# Altium PCB PCB.PcbDoc (part 1 of 4) (continued)
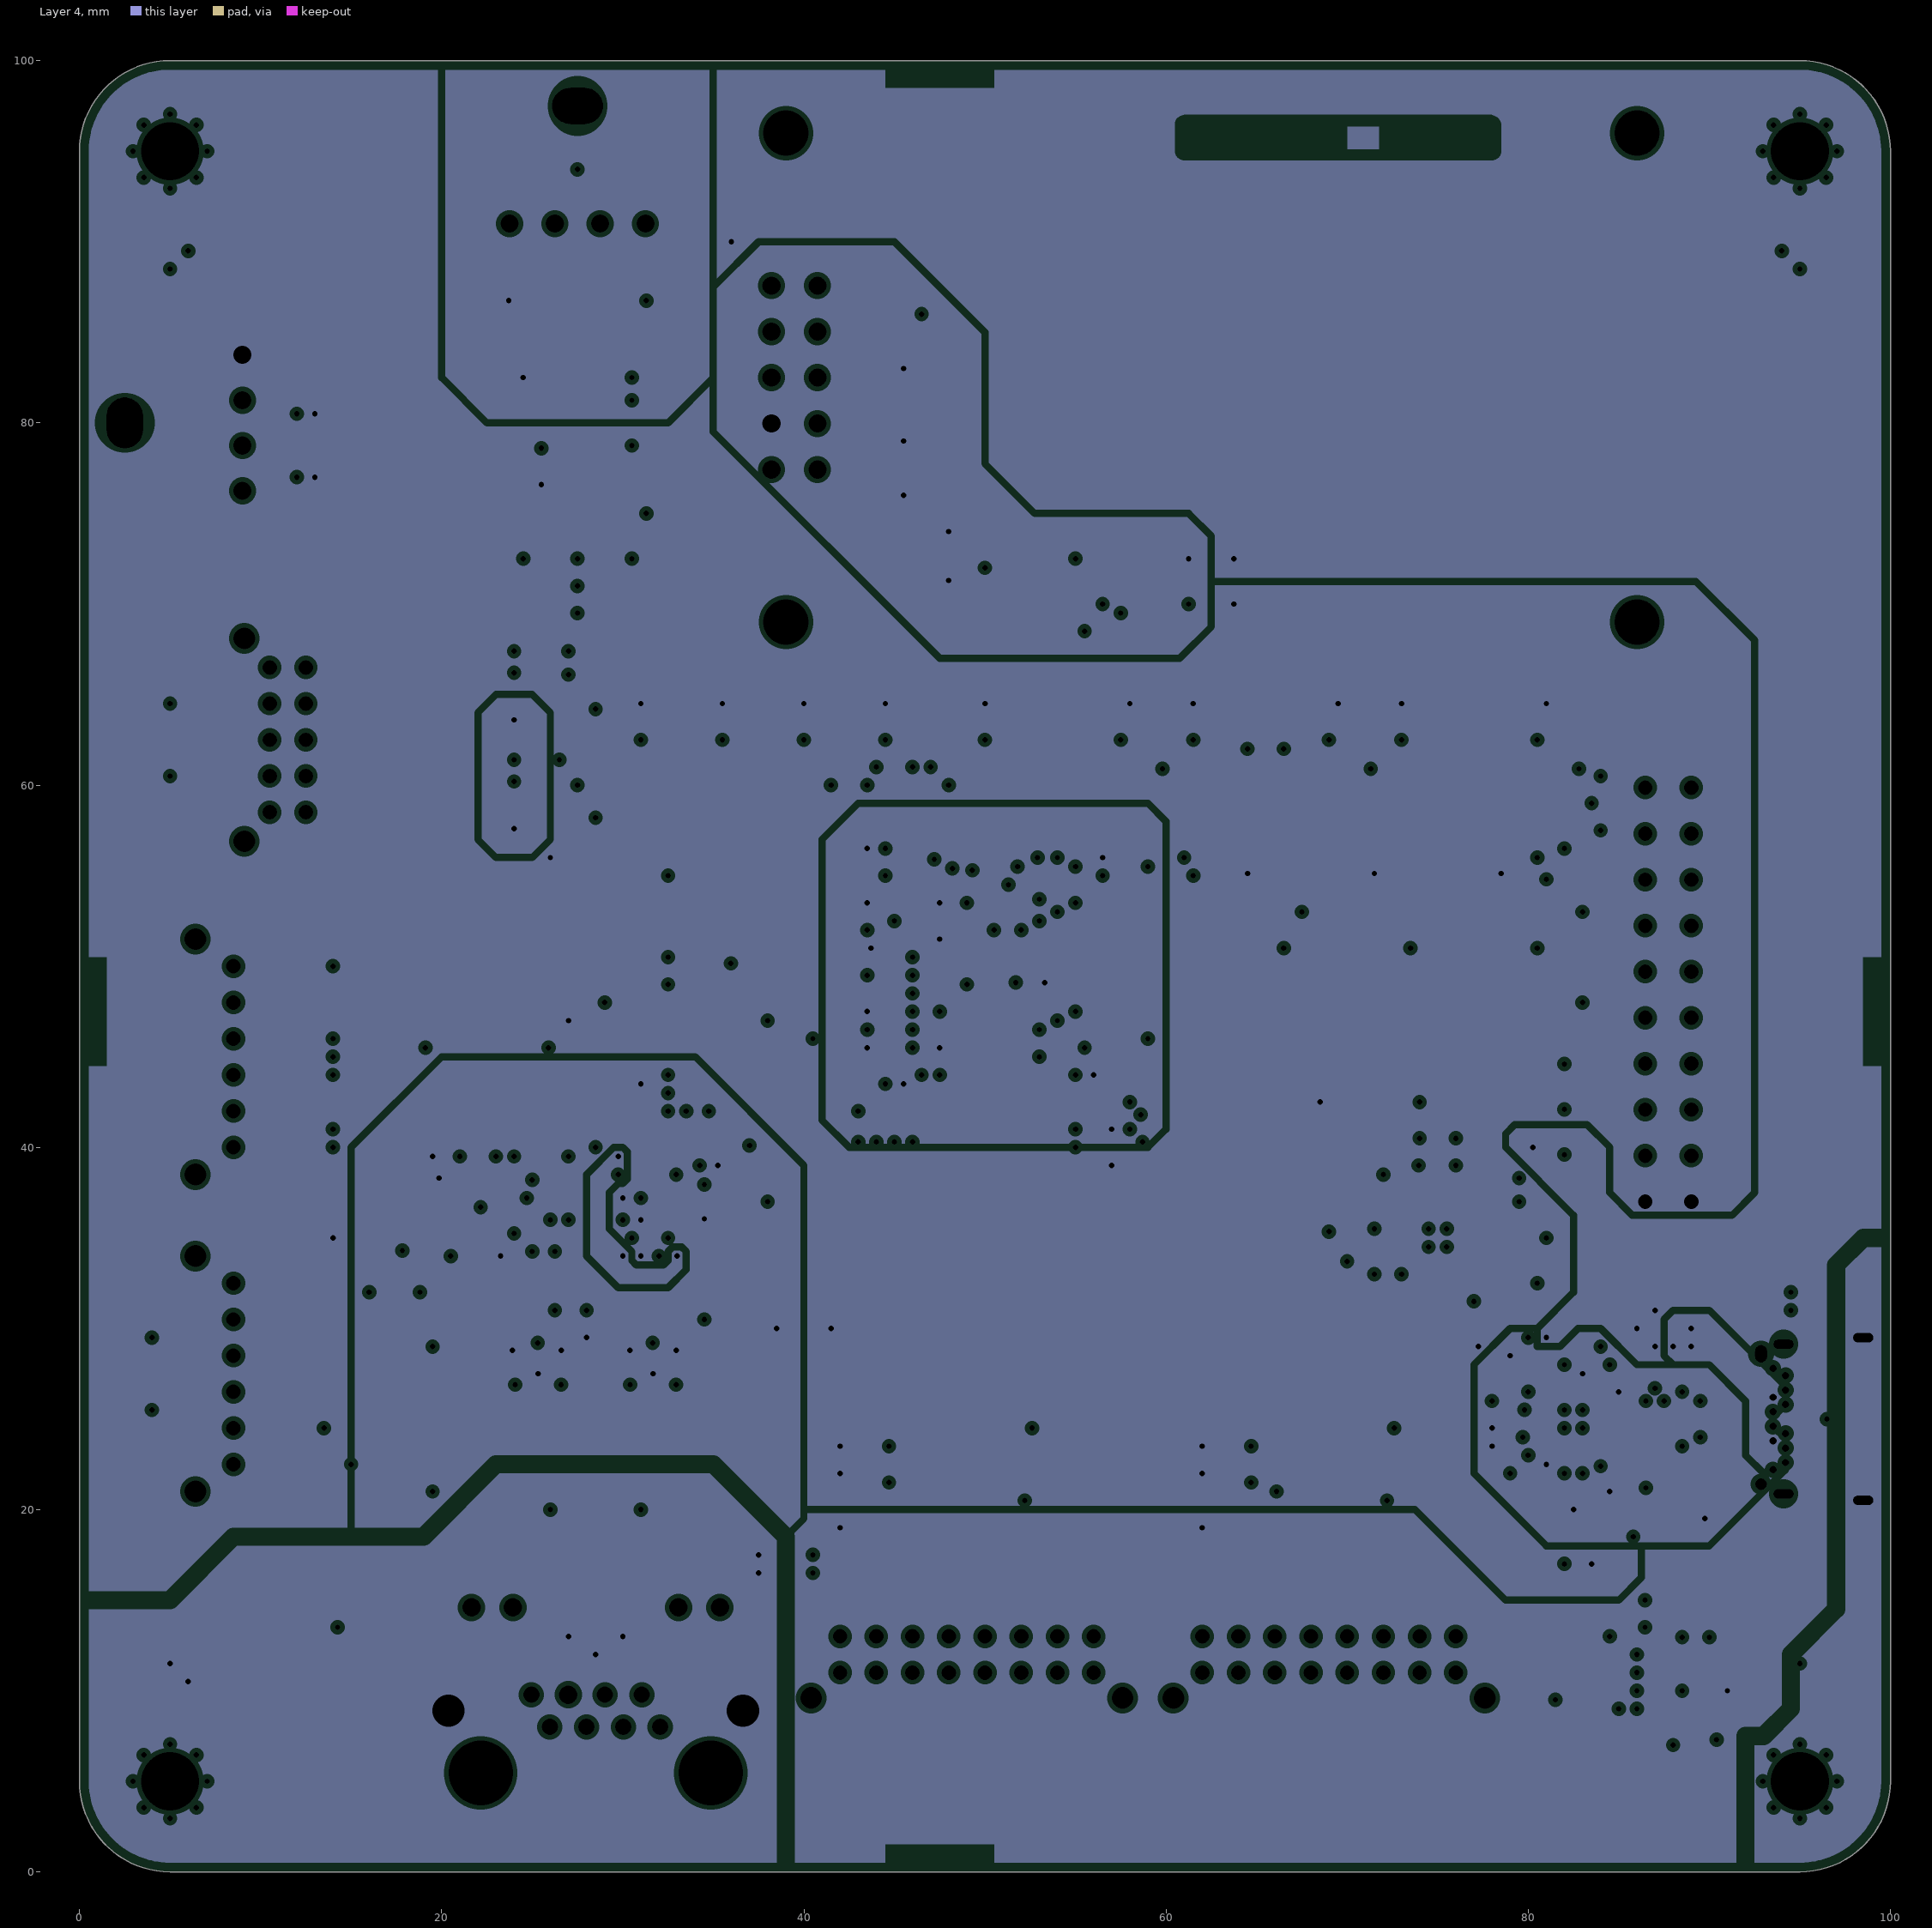
[diagram p4: Layer 4, clearances drawn from the general rule]
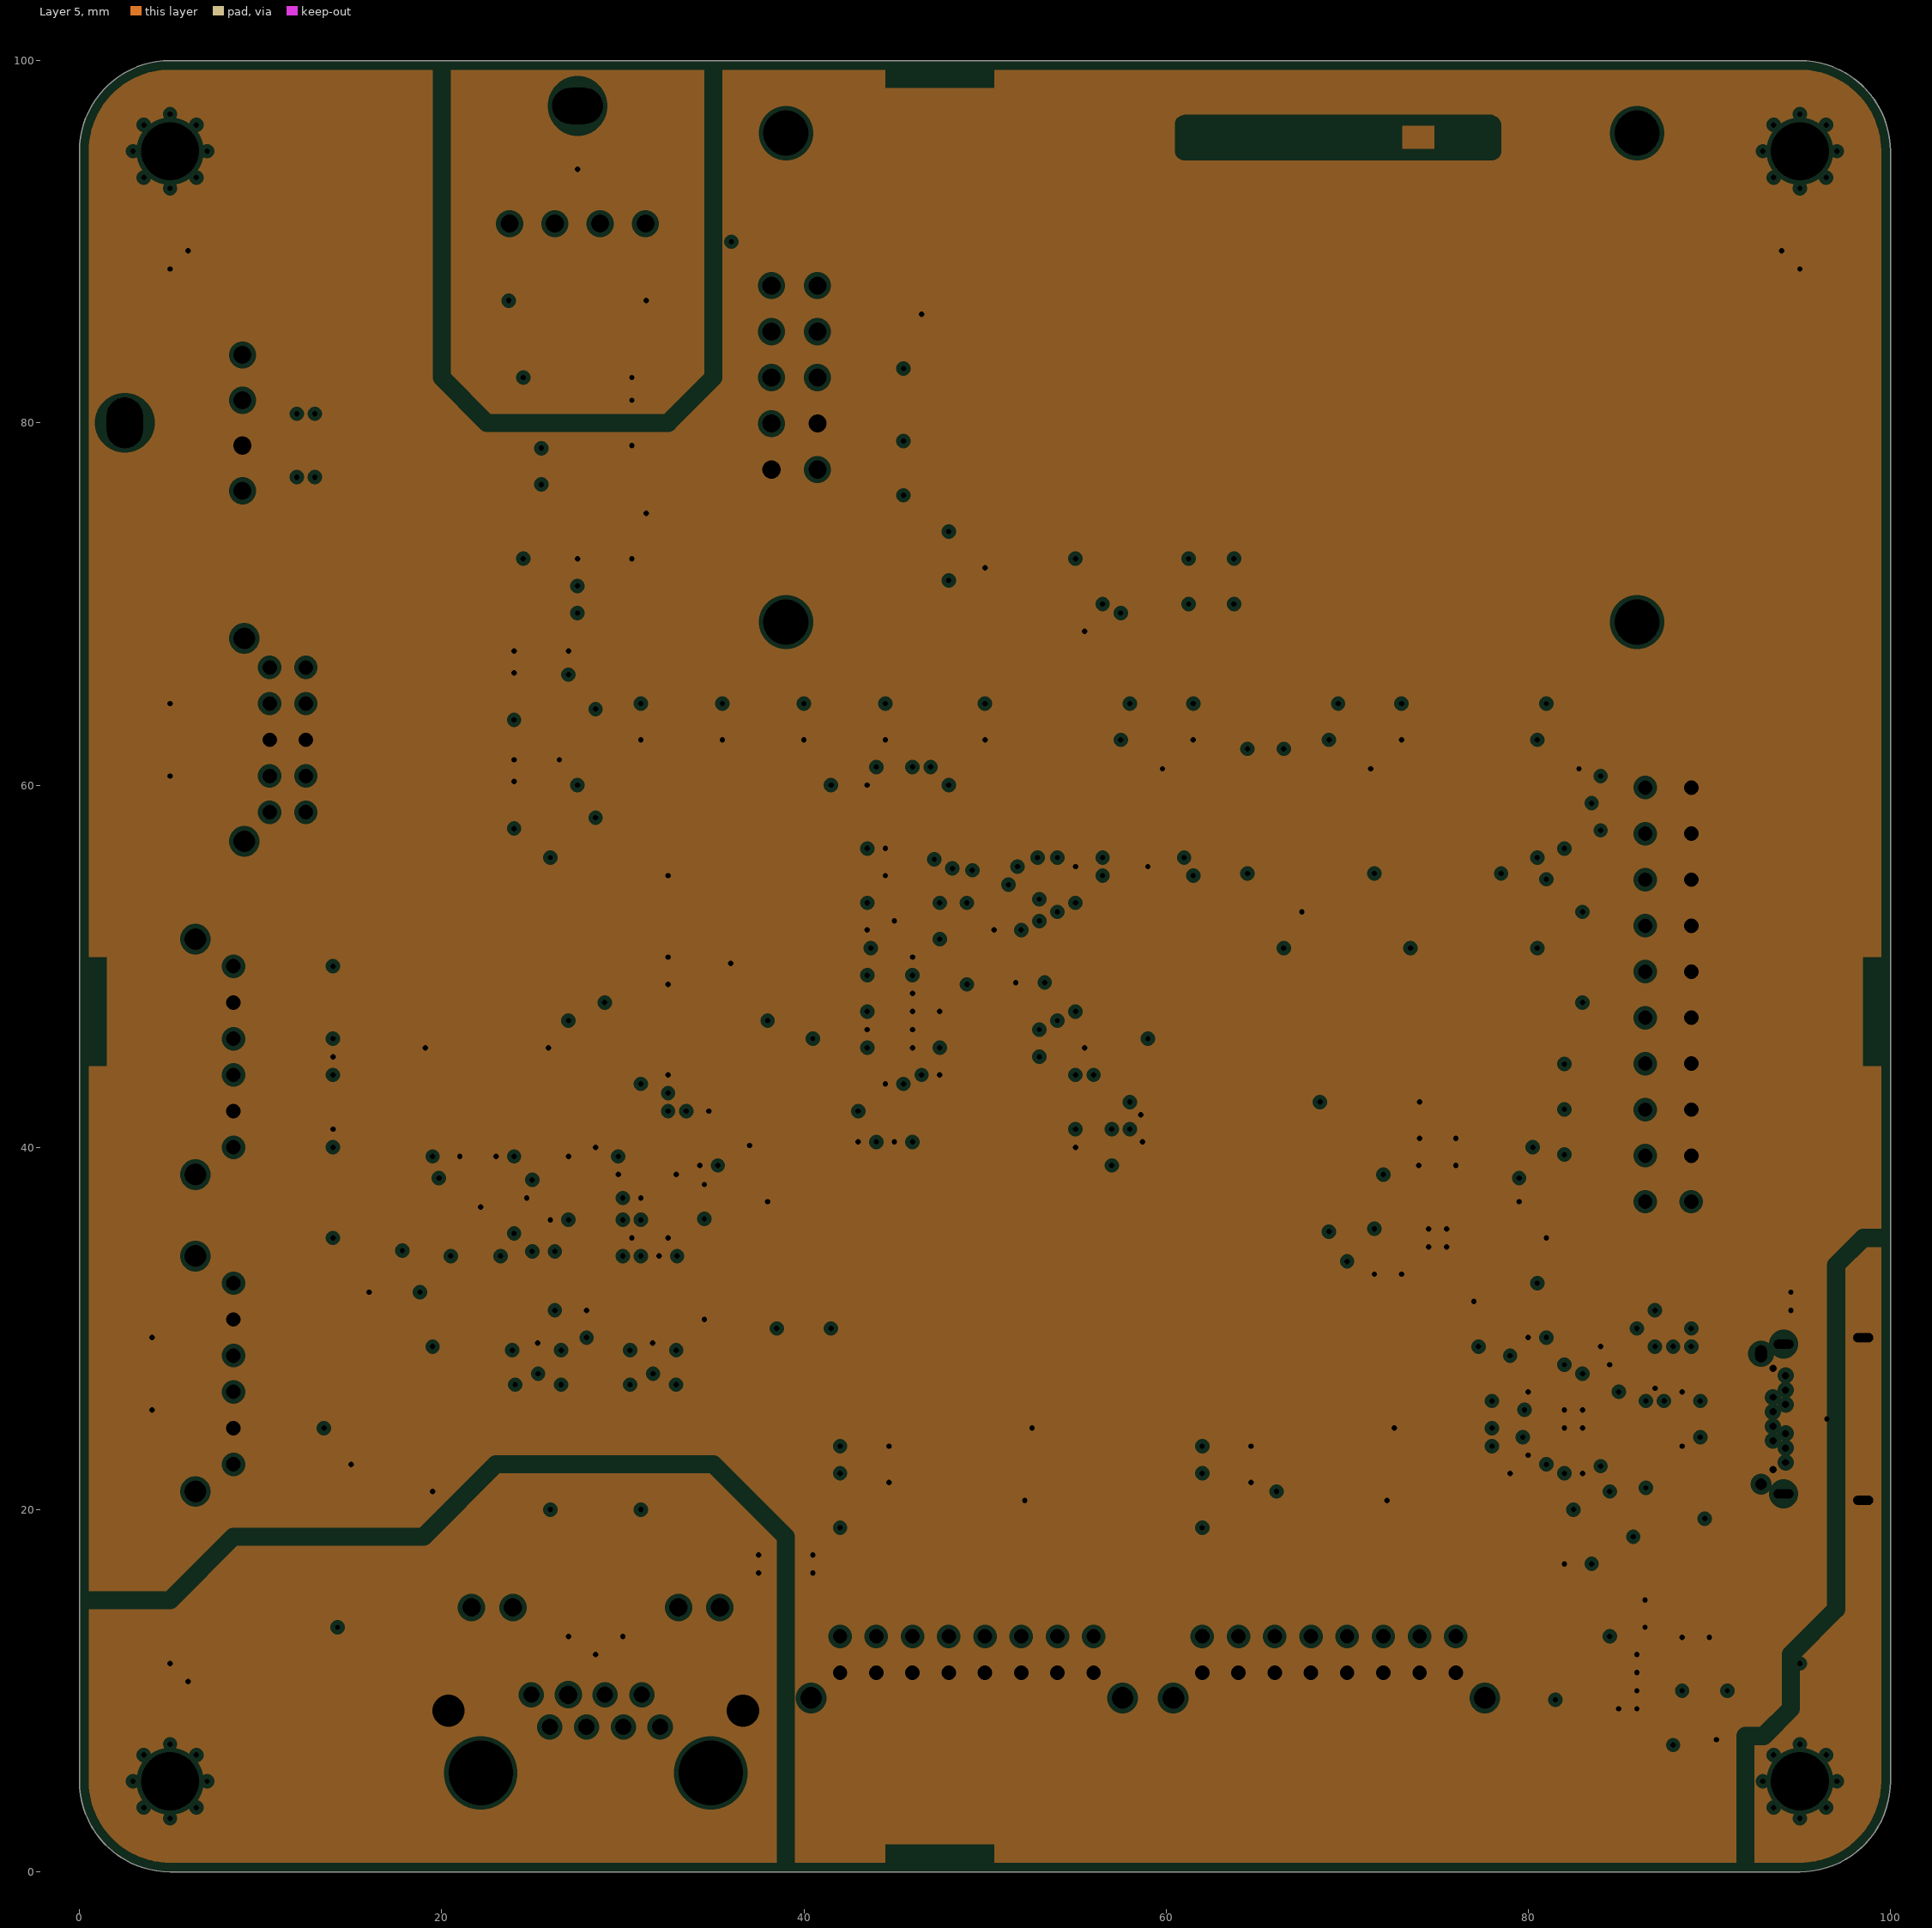
[diagram p5: Layer 5, clearances drawn from the general rule]

## Layer stack, top to bottom
Top Solder: solder mask 0.01, Solder Resist, Dk 3.5
Top Layer: signal copper 0.035
Dielectric 2: prepreg 0.0994, 3313*1, Dk 4.1
Layer 2: plane copper 0.0152, net Gnd
Dielectric 4: core 0.55, Core, Dk 4.1
Layer 3: signal copper 0.0152
Dielectric 1: prepreg 0.1088, 2116*1, Dk 4.8
Layer 4: plane copper 0.0152, net 3.3V
Dielectric 5: core 0.55, Core, Dk 4.1
Layer 5: plane copper 0.0152, net Gnd
Dielectric 3: prepreg 0.0994, 3313*1, Dk 4.1
Bottom Layer: signal copper 0.035
Bottom Solder: solder mask 0.01, Solder Resist, Dk 3.5

## Board outline
0,5 0,95 cw(c5,95) 5,100 95,100 cw(c95,95) 100,95 100,5 cw(c95,5) 95,0 5,0 cw(c5,5)

## Design rules (kind name [scope] priority, off if disabled: settings)
BoardOutlineClearance [Not OnLayer('Top Overlay')] p1: gap=0.3 ignorepadtopadclearanceinfootprint=FALSE
Clearance Polygons [InNet('Gnd') vs (InNet('Gcan') Or InNet('Chassis'))] p1: gap=0.2 ignorepadtopadclearanceinfootprint=FALSE except(0.127: SMDPad-SMDPad; 1: Poly-Poly)
Clearance [All] p2: gap=0.2 ignorepadtopadclearanceinfootprint=FALSE except(0.127: SMDPad-SMDPad)
DiffPairsRouting "Usb 90 Ohm" [InDifferentialPairClass('Usb_90')] p1: maxlimit=0.203 minlimit=0.203 mostfreqgap=0.203 toplayer_minwidth=0.158 toplayer_maxwidth=0.158 toplayer_prefwidth=0.158 midlayer1_minwidth=0.321 midlayer1_maxwidth=0.321 midlayer1_prefwidth=0.321 bottomlayer_minwidth=0.158 bottomlayer_maxwidth=0.158 bottomlayer_prefwidth=0.158 maxuncoupledlength=12.7
DiffPairsRouting "Rs422-Can 120 Ohm" [InDifferentialPairClass('Rs422_120') Or InDifferentialPairClass('Can_120')] p2: maxlimit=0.508 minlimit=0.508 mostfreqgap=0.508 toplayer_minwidth=0.096 toplayer_maxwidth=0.098 toplayer_prefwidth=0.097 midlayer1_minwidth=0.261 midlayer1_maxwidth=0.261 midlayer1_prefwidth=0.261 bottomlayer_minwidth=0.096 bottomlayer_maxwidth=0.098 bottomlayer_prefwidth=0.097 maxuncoupledlength=12.7
DiffPairsRouting "Eth 100 Ohm" [InDifferentialPairClass('Eth_100')] p3: maxlimit=0.203 minlimit=0.203 mostfreqgap=0.203 toplayer_minwidth=0.124 toplayer_maxwidth=0.124 toplayer_prefwidth=0.124 midlayer1_minwidth=0.232 midlayer1_maxwidth=0.232 midlayer1_prefwidth=0.232 bottomlayer_minwidth=0.124 bottomlayer_maxwidth=0.124 bottomlayer_prefwidth=0.124 maxuncoupledlength=12.7
HoleSize "Mounting Hole" [HasFootprint('Mounting Hole - Hole-3.2mm, Pad-5mm')] p1: absolutevalues=TRUE maxlimit=5 minlimit=0.29 maxpercent=80.000 minpercent=20.000
HoleSize "USB Conn" [HasFootprint('GCT, USB4056')] p2: absolutevalues=TRUE maxlimit=5 minlimit=0.29 maxpercent=80.000 minpercent=20.000
HoleSize NonViaHoleSize [Not IsVia] p3: absolutevalues=TRUE maxlimit=5 minlimit=0.5 maxpercent=80.000 minpercent=20.000
HoleSize ViaHoleSize [IsVia] p4: absolutevalues=TRUE maxlimit=5 minlimit=0.3 maxpercent=80.000 minpercent=20.000
HoleToHoleClearance "Mounting Hole (Clearance)" [HasFootprint('Mounting Hole - Hole-3.2mm, Pad-5mm') vs HasFootprint('Mounting Hole - Hole-3.2mm, Pad-5mm')] p1: gap=0.29 allowstackedmicrovias=TRUE
HoleToHoleClearance "USB Conn (Clearance)" [HasFootprint('GCT, USB4056') vs HasFootprint('GCT, USB4056')] p2: gap=0.39 allowstackedmicrovias=TRUE
HoleToHoleClearance [All] p3: gap=0.5 allowstackedmicrovias=TRUE
MatchedLengths LM-EthP [InNetClass('EthP')] p1: tolerance=1 checknetsindiffpair=FALSE checkdiffpairvsdiffpair=TRUE checkxsignals=TRUE checkothers=TRUE
MatchedLengths LM-EthC [InNetClass('EthC')] p2: tolerance=1 checknetsindiffpair=FALSE checkdiffpairvsdiffpair=TRUE checkxsignals=TRUE checkothers=TRUE
MatchedLengths LM-EthP_Dp [InNetClass('EthP')] p3: tolerance=1 checknetsindiffpair=TRUE checkdiffpairvsdiffpair=FALSE checkxsignals=FALSE checkothers=FALSE
MatchedLengths LM-EthC_Dp [InNetClass('EthC')] p4: tolerance=1 checknetsindiffpair=TRUE checkdiffpairvsdiffpair=FALSE checkxsignals=FALSE checkothers=FALSE
MatchedLengths SPI-LM [InxSignalClass('xSPI')] p5: tolerance=1 checknetsindiffpair=FALSE checkdiffpairvsdiffpair=TRUE checkxsignals=TRUE checkothers=TRUE
MatchedLengths LM-I2C [InNetClass('I2C_LM')] p6: tolerance=1 checknetsindiffpair=FALSE checkdiffpairvsdiffpair=TRUE checkxsignals=TRUE checkothers=TRUE
MinimumAnnularRing [All] p1: minimumring=0.05
MinimumSolderMaskSliver [All] p1: minsoldermaskwidth=0.1
PlaneClearance [All] p1: clearance=0.25
PlaneConnect [All] p1: planeconnectstyle=Direct reliefexpansion=0.508 reliefentries=4 reliefconductorwidth=0.254 reliefairgap=0.254
PolygonConnect [All] p1: thpad.connectstyle=Relief thpad.reliefconductorwidth=0.254 thpad.reliefentries=4 thpad.polygonreliefangle="90 Angle" thpad.airgapwidth=0.25 smdpad.connectstyle=Relief smdpad.reliefconductorwidth=0.254 smdpad.reliefentries=4 smdpad.polygonreliefangle="90 Angle" smdpad.airgapwidth=0.25 via.connectstyle=Direct via.reliefconductorwidth=0.254 via.reliefentries=4 via.polygonreliefangle="90 Angle" via.airgapwidth=0.25
RoomDefinition Bt3 [InComponentClass('Bt3')] p1: confinementstyle=ConfineIn formatcopy=TRUE lockcomponents=FALSE outline 71.5,59 83,59 83,66.5 71.5,66.5
RoomDefinition Sw2 [InComponentClass('Sw2')] p2: confinementstyle=ConfineIn formatcopy=TRUE lockcomponents=FALSE outline 68.5,45.5 75,45.5 75,56.5 68.5,56.5
RoomDefinition Bt2 [InComponentClass('Bt2')] p3: confinementstyle=ConfineIn formatcopy=TRUE lockcomponents=FALSE outline 60,59 71.5,59 71.5,66.5 60,66.5
RoomDefinition Sw3 [InComponentClass('Sw3')] p4: confinementstyle=ConfineIn formatcopy=TRUE lockcomponents=FALSE outline 75.5,45.5 82,45.5 82,56.5 75.5,56.5
RoomDefinition Sw1 [InComponentClass('Sw1')] p5: confinementstyle=ConfineIn formatcopy=TRUE lockcomponents=FALSE outline 61.5,45.5 68,45.5 68,56.5 61.5,56.5
RoomDefinition LdY [InComponentClass('LdY')] p6: confinementstyle=ConfineIn formatcopy=TRUE lockcomponents=FALSE outline 34.5,62 37.5,62 37.5,65 34.5,65
RoomDefinition LdR [InComponentClass('LdR')] p7: confinementstyle=ConfineIn formatcopy=TRUE lockcomponents=FALSE outline 43.5,62 46.5,62 46.5,65 43.5,65
RoomDefinition LdO [InComponentClass('LdO')] p8: confinementstyle=ConfineIn formatcopy=TRUE lockcomponents=FALSE outline 39,62 42,62 42,65 39,65
RoomDefinition LdG [InComponentClass('LdG')] p9: confinementstyle=ConfineIn formatcopy=TRUE lockcomponents=FALSE outline 30,62 33,62 33,65 30,65
RoomDefinition Bt1 [InComponentClass('Bt1')] p10: confinementstyle=ConfineIn formatcopy=TRUE lockcomponents=FALSE outline 48.5,59 60,59 60,66.5 48.5,66.5
RoutingVias [All] p1: holewidth=0.711 width=1.27 viastyle="Through Hole" minholewidth=0.711 minwidth=1.27 maxholewidth=0.711 maxwidth=1.27
SilkToSilkClearance [Not HasFootprint('Logo 1') vs Not HasFootprint('Logo 1')] p1: silktosilkclearance=0.05
SilkToSolderMaskClearance [IsPad And (Not HasFootprint('Resistor_Smd_M1005_I0402'))] p1: minsilkscreentomaskgap=0.15 clearancetoexposedcopper=TRUE
SolderMaskExpansion [All] p1: expansion=0.05 istentingtop=FALSE
SupplyNets "Schematic Supply Nets_17" [InNet('3.3V_LCD')] p1: voltage=0.000
SupplyNets "Schematic Supply Nets_16" [InNet('3.3V')] p2: voltage=0.000
SupplyNets "Schematic Supply Nets_15" [InNet('ChassisU')] p3: voltage=0.000
SupplyNets "Schematic Supply Nets_14" [InNet('Vdd')] p4: voltage=0.000
SupplyNets "Schematic Supply Nets_13" [InNet('3.3V_RT')] p5: voltage=0.000
SupplyNets "Schematic Supply Nets_12" [InNet('3.3V_AP')] p6: voltage=0.000
SupplyNets "Schematic Supply Nets_11" [InNet('VCC_422')] p7: voltage=0.000
SupplyNets "Schematic Supply Nets_10" [InNet('5V_AP')] p8: voltage=0.000
SupplyNets "Schematic Supply Nets_9" [InNet('Gcan')] p9: voltage=0.000
SupplyNets "Schematic Supply Nets_8" [InNet('3.3V_FT')] p10: voltage=0.000
SupplyNets "Schematic Supply Nets_7" [InNet('5V_RT')] p11: voltage=0.000
SupplyNets "Schematic Supply Nets_6" [InNet('Gnd')] p12: voltage=0.000
SupplyNets "Schematic Supply Nets_5" [InNet('Vcan')] p13: voltage=0.000
SupplyNets "Schematic Supply Nets_4" [InNet('ChassisE')] p14: voltage=0.000
SupplyNets "Schematic Supply Nets_3" [InNet('5V_LCD')] p15: voltage=0.000
SupplyNets "Schematic Supply Nets_2" [InNet('3.3V_ETH')] p16: voltage=0.000
SupplyNets "Schematic Supply Nets_1" [InNet('VBus')] p17: voltage=0.000
SupplyNets "Schematic Supply Nets" [InNet('5V')] p18: voltage=0.000
Width [All] p1: maxlimit=10 minlimit=0.089 preferedwidth=0.2 minimp=50.000000 maximp=50.000000 favimp=50.000000
22 further rules are at their usual default settings.

## Classes and differential pairs
net class EthP: RXP_N RXP_P TXP_N TXP_P
net class EthC: RXC_N RXC_P TXC_N TXC_P
net class I2C_LM: PB6 PB7
differential pair class Usb_90: U Usb
differential pair class Rs422_120: AB CTS RTS YZ
differential pair class Eth_100: RXC RXP TXC TXP
differential pair class Can_120: CAN
channel class Switch: Sw1 Sw2 Sw3
channel class "Led Driver": LdG LdO LdR LdY
channel class Button: Bt1 Bt2 Bt3
net class PE[0..15]: PE0 PE1 PE2 PE3 PE4 PE5 PE6 PE7 PE8 PE9 PE10 PE11 PE12 PE13 PE14 PE15
net class PD[0..15]: PD0 PD1 PD2 PD3 PD4 PD5 PD6 PD7 PD8 PD9 PD10 PD11 PD12 PD13 PD14 PD15
net class PC[0..15]: PC0 PC1 PC2 PC3 PC4 PC5 PC6 PC7 PC8 PC9 PC10 PC11 PC12 PC13 PC14 PC15
net class PB[0..15]: PB0 PB1 PB2 PB3 PB4 PB5 PB6 PB7 PB8 PB9 PB10 PB11 PB12 PB13 PB14 PB15
net class PA[0..15]: PA0 PA1 PA2 PA3 PA4 PA5 PA6 PA7 PA8 PA9 PA10 PA11 PA12 PA13 PA14 PA15
component class Sw3: C60_Sw3 R60_Sw3 R61_Sw3 Sw60_Sw3
component class Sw2: C60_Sw2 R60_Sw2 R61_Sw2 Sw60_Sw2
component class Sw1: C60_Sw1 R60_Sw1 R61_Sw1 Sw60_Sw1
component class RS422: C640 C641 Conn640 IC640 IC641 R640 R641 R642 R643 R644 R645 R646 R647 R648 R649 R650 R651 R652 R653 R654 R655 R656 R657 R658 TVS640 TVS641 TVS642 TVS643
component class RS232: C620 C621 C622 C623 C624 Conn620 IC620 R620 R621 R622 TVS620 TVS621
component class Power: C100 C101 C102 C103 C104 C105 C106 C107 C108 C109 C110 C111 C112 D100 D101 D102 D103 IC100 IC101 L100 L101 R100 R101 R102 R103 R104 R105 R106 R107 R108 R109 R110 R111 R112 R113 R114 R115
component class Microcontroller: C700 C701 C702 C703 C704 C705 C706 C707 C708 C709 C710 C711 C712 C713 C714 C715 C716 C717 C718 Conn700 IC700 R700 R701 R702 R703 R704 R705 R706 R707 R708 R709 R710 R711 R712 R713 R714 R715 R716 Sw700 Xtal700 Xtal701
component class Mechanical: Fid1 Fid2 Fid3 Housing300 Housing301 Housing302 Housing303 Housing304 Housing305 Housing306 Logo MHBL MHBR MHTL MHTR Pin300 Pin301 Pin302 Pin303 Pin304 Pin305 Pin306 Pin307 Pin308 Pin309 Pin310 Pin311 Pin312 Pin313 Pin314 Pin315 Pin316 Pin317 Pin318 Pin319 Pin320 Pin321 Pin322 Pin323 Pin324 Pin325 Pin326 Pin327 Pin328 Pin329 Pin330 Pin331 Pin332 Pin333 Pin334 Pin335 Pin336 Pin337 Pin338 Pin339 Pin340 Pin341 Pin342 Pin343 Pin344 Pin345 Pin346 Pin347 Pin348 Pin349 Pin350 Pin351 Pin352 Pin353 Pin354 Pin355 Pin356 Pin357 Pin358 Pin359 Pin360 Pin361 R300 R301 R302 R303
component class LdY: Q80_LdY R80_LdY R81_LdY
component class LdR: Q80_LdR R80_LdR R81_LdR
component class LdO: Q80_LdO R80_LdO R81_LdO
component class LdG: Q80_LdG R80_LdG R81_LdG
component class LCD: C660 C661 IC660 IC661 R660 R661 R662 R663 R664 R665 R666 R667 R668 R669 R670
component class I2C-SPI: Conn140 Conn141 R140 R141 R142 R143 R144 R145
component class GPIO: C200 C201 C202 C203 Conn200 Conn201 D200 D201 D202 D203 IC200 IC201 R200 R201 R202 R203 R204 R205
component class FTDI: C662 C663 C664 C665 C666 C667 C668 Conn660 D660 D661 D662 D663 IC662 R671 R672 R673 R674 R675 R676 R677 R678 R679 R680 R681 R682 R683
component class Ethernet: C740 C741 C742 C743 C744 C745 C746 C747 C748 C749 C750 C751 C752 C753 C754 Conn740 D740 IC740 IC741 R740 R741 R742 R743 R744 R745 R746 R747 R748 R749 R750 R751 R752 R753 R754 R755 R756 R757 R758 R759 R760 TR740
component class CAN: C600 C601 C602 Conn600 D600 IC600 R600 R601 R602 R603 R604 R605 R606
component class Bt3: C40_Bt3 R40_Bt3 R41_Bt3 Sw40_Bt3
component class Bt2: C40_Bt2 R40_Bt2 R41_Bt2 Sw40_Bt2
component class Bt1: C40_Bt1 R40_Bt1 R41_Bt1 Sw40_Bt1
differential pair YZ: +YZ_P -YZ_N
differential pair U: +U_P -U_N
differential pair Usb: +Usb_P -Usb_N
differential pair TXP: +TXP_P -TXP_N
differential pair TXC: +TXC_P -TXC_N
differential pair RXP: +RXP_P -RXP_N
differential pair RXC: +RXC_P -RXC_N
differential pair RTS: +RTS_P -RTS_N
differential pair CTS: +CTS_P -CTS_N
differential pair CAN: +CAN_P -CAN_N
differential pair AB: +AB_P -AB_N

## Components (designator, comment, footprint, x,y, rotation, side; value= is the part's Value field where it differs from the comment)
C40_Bt1 "Capacitor_Ceramic" Capacitor_Ceramic_M1005_I0402 59.5,62 r270 top value=100nF (schematic designator C40)
C40_Bt2 "Capacitor_Ceramic" Capacitor_Ceramic_M1005_I0402 71,62 r270 top value=100nF (schematic designator C40)
C40_Bt3 "Capacitor_Ceramic" Capacitor_Ceramic_M1005_I0402 82.5,62 r270 top value=100nF (schematic designator C40)
C60_Sw1 "Capacitor_Ceramic" Capacitor_Ceramic_M1005_I0402 67.5,51.5 r90 top value=100nF (schematic designator C60)
C60_Sw2 "Capacitor_Ceramic" Capacitor_Ceramic_M1005_I0402 74.5,51.5 r90 top value=100nF (schematic designator C60)
C60_Sw3 "Capacitor_Ceramic" Capacitor_Ceramic_M1005_I0402 81.5,51.5 r90 top value=100nF (schematic designator C60)
C100 "Capacitor_Ceramic" Capacitor_Ceramic_M1005_I0402 70.5,35.5 r180 top value=100nF
C101 "Capacitor_Ceramic" Capacitor_Ceramic_M2012_I0805 77,39 r180 top value=22uF
C102 "Capacitor_Ceramic" Capacitor_Ceramic_M2012_I0805 77,40.5 r180 top value=22uF
C103 "Capacitor_Ceramic" Capacitor_Ceramic_M1005_I0402 80,33 r180 top value=22pF
C104 "Capacitor_Ceramic" Capacitor_Ceramic_M2012_I0805 73,39 r0 top value=22uF
C105 "Capacitor_Ceramic" Capacitor_Ceramic_M2012_I0805 73,40.5 r0 top value=22uF
C106 "Capacitor_Ceramic" Capacitor_Ceramic_M1005_I0402 80,35 r0 top value=22pF
C107 "Capacitor_Ceramic" Capacitor_Ceramic_M1005_I0402 81.5,34.5 r90 top value=2.7nF
C108 "Capacitor_Ceramic" Capacitor_Ceramic_M2012_I0805 88.5,12 r90 top value=22uF
C109 "Capacitor_Ceramic" Capacitor_Ceramic_M2012_I0805 90,12 r90 top value=22uF
C110 "Capacitor_Ceramic" Capacitor_Ceramic_M1005_I0402 88.5,7.5 r90 top value=22pF
C111 "Capacitor_Ceramic" Capacitor_Ceramic_M2012_I0805 85.5,13.5 r0 top value=22uF
C112 "Capacitor_Ceramic" Capacitor_Ceramic_M2012_I0805 85.5,15 r0 top value=22uF
C200 "Capacitor_Ceramic" Capacitor_Ceramic_M1005_I0402 64,21 r90 top value=100nF
C201 "Capacitor_Ceramic" Capacitor_Ceramic_M1005_I0402 64,24 r270 top value=100nF
C202 "Capacitor_Ceramic" Capacitor_Ceramic_M1005_I0402 44,21 r90 top value=100nF
C203 "Capacitor_Ceramic" Capacitor_Ceramic_M1005_I0402 44,24 r270 top value=100nF
C600 "Capacitor_Ceramic" Capacitor_Ceramic_M1005_I0402 26,72.5 r0 bottom value=100nF
C601 "Capacitor_Ceramic" Capacitor_Ceramic_M1005_I0402 26,82.5 r0 bottom value=100nF
C602 "Capacitor_Ceramic" Capacitor_Ceramic_M1005_I0402 27.5,95 r270 bottom value=100nF
C620 "Capacitor_Ceramic" Capacitor_Ceramic_M1005_I0402 15.5,32.5 r0 top value=100nF
C621 "Capacitor_Ceramic" Capacitor_Ceramic_M1005_I0402 19.5,22 r270 top value=100nF
C622 "Capacitor_Ceramic" Capacitor_Ceramic_M1005_I0402 15.5,22.5 r180 top value=100nF
C623 "Capacitor_Ceramic" Capacitor_Ceramic_M1005_I0402 15.5,21.5 r0 top value=100nF
C624 "Capacitor_Ceramic" Capacitor_Ceramic_M1005_I0402 18,22 r0 top value=100nF
C640 "Capacitor_Ceramic" Capacitor_Ceramic_M1005_I0402 24,65 r90 bottom value=100nF
C641 "Capacitor_Ceramic" Capacitor_Ceramic_M1005_I0402 24,59 r90 bottom value=100nF
C660 "Capacitor_Ceramic" Capacitor_Ceramic_M1005_I0402 56.5,69 r270 top value=100nF
C661 "Capacitor_Ceramic" Capacitor_Ceramic_M1005_I0402 48.5,72 r0 top value=100nF
C662 "Capacitor_Ceramic" Capacitor_Ceramic_M1608_I0603 78,22.4 r270 top value=4.7uF
C663 "Capacitor_Ceramic" Capacitor_Ceramic_M1005_I0402 80.5,22 r180 top value=100nF
C664 "Capacitor_Ceramic" Capacitor_Ceramic_M1005_I0402 85.5,27.5 r90 top value=100nF
C665 "Capacitor_Ceramic" Capacitor_Ceramic_M1005_I0402 83,28.5 r90 top value=100nF
C666 "Capacitor_Ceramic" Capacitor_Ceramic_M1005_I0402 89,23.5 r180 top value=22pF
C667 "Capacitor_Ceramic" Capacitor_Ceramic_M1005_I0402 89,26.5 r180 top value=22pF
C668 "Capacitor_Ceramic" Capacitor_Ceramic_M3216_I1206 97,31.6 r0 bottom value=1nF
C700 "Capacitor_Ceramic" Capacitor_Ceramic_M1005_I0402 45,50.5 r0 bottom value=100nF
C701 "Capacitor_Ceramic" Capacitor_Ceramic_M1005_I0402 32.5,56 r270 top value=22pF
C702 "Capacitor_Ceramic" Capacitor_Ceramic_M1005_I0402 32.5,54 r90 top value=22pF
C703 "Capacitor_Ceramic" Capacitor_Ceramic_M1608_I0603 52.5,50 r180 bottom value=4.7uF
C704 "Capacitor_Ceramic" Capacitor_Ceramic_M1005_I0402 45,44.5 r180 bottom value=100nF
C705 "Capacitor_Ceramic" Capacitor_Ceramic_M1005_I0402 45,47.5 r0 bottom value=100nF
C706 "Capacitor_Ceramic" Capacitor_Ceramic_M1005_I0402 55.5,56 r180 bottom value=100nF
C707 "Capacitor_Ceramic" Capacitor_Ceramic_M1005_I0402 44.5,52 r90 bottom value=100nF
C708 "Capacitor_Ceramic" Capacitor_Ceramic_M1005_I0402 56,45 r90 bottom value=100nF
C709 "Capacitor_Ceramic" Capacitor_Ceramic_M1005_I0402 44,55.5 r0 bottom value=100nF
C710 "Capacitor_Ceramic" Capacitor_Ceramic_M1005_I0402 45,48.5 r0 bottom value=1uF
C711 "Capacitor_Ceramic" Capacitor_Ceramic_M1005_I0402 47.5,46.5 r90 bottom value=1uF